# Altium PCB AMC_Single_Panel.PcbDoc (part 2 of 5) (continued)
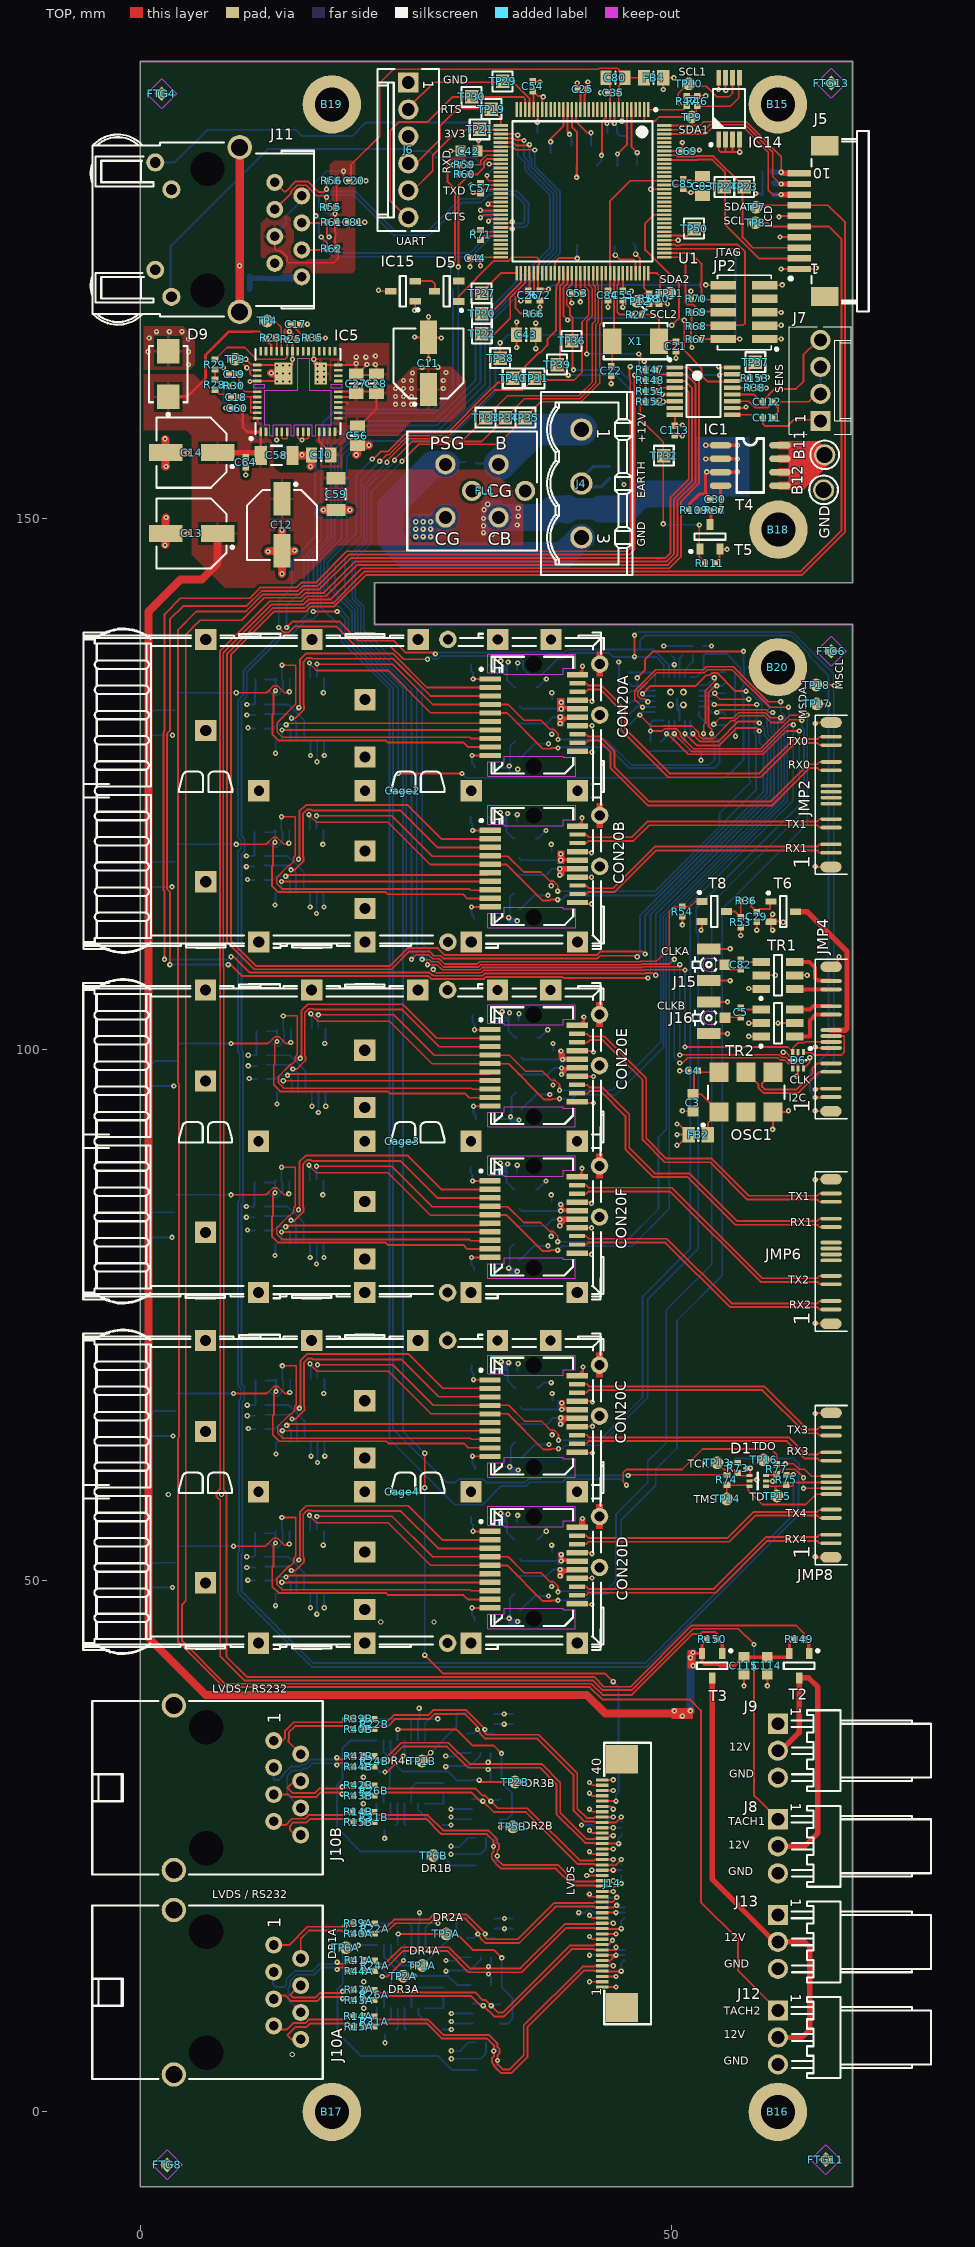
[diagram p0: TOP view]
## Nets (pads, with @x,y where several pads share a name; then routed paths per layer and width w, separated by ;. In a path a pad name is that pad's centre, name@x,y a point inside that pad or via, vN(x,y) a via of type N, cw(c..) or ccw(c..) an arc to the next point about the centre after c; other vN are vias at no path point) (continued)
  TOP w0.152: v1(7.8,164.2) 7.8,164 7.95,164 C19.1@8.35,163.6 ; v1(8,160.4) C60.1@8.65,160.4
  TOP w0.178: v1(9.9,154.1) C64.1@9.9,154.85 ; v1(9.9,165) 10.4,164.5 11.05,164.5 IC5.42@11,164.45 12.85,164.45 IC5.53@12.9,164.4 ; v1(10.3,162.9) 10.35,162.95 IC5.45@11,162.95 12.85,162.95 IC5.53@12.9,162.9 ; v1(14,167.6) 14.1,167.6 14.37,167.33 14.37,166.9 ; IC5.53@14.1,164.3 14.3,164.5 v1(14.3,165) IC5.35@14.3,165.75 14.3,166.8 ; IC5.31@16.3,165.75 v1(16.3,165) ; IC5.54@16.6,164.3 16.3,164.6 v1(16.3,165) ; IC5.54@16.95,163.65 IC5.54@16.95,164.05 ; IC5.54@17.2,164.4 17.25,164.45 IC5.54@17.35,164.45 ; v1(20.3,162.7) C27.1@20.3,163.5 ; v1@20.3,164.45 IC5.26@18.6,164.45 IC5.54@17.35,164.45 ; v1(20.3,164.6) C27.1@20.3,163.5 ; C81.1@20.45,177.9 v1(21.1,177.9) ; C20.1@20.55,181.8 v1(21.2,181.8) ; v2(21.3,162.7) 21.3,162.8 22.1,163.6 C28.1@22.2,163.6 ; v2(21.3,164.5) 20.4,163.6 C27.1@20.3,163.6 C27.1@20.3,163.5 ; C28.1@21.9,163.5 C27.1@20.3,163.5 ; v1(22.1,162.7) 22.2,162.8 C28.1@22.2,163.6 ; v1(22.1,164.5) 22.2,164.4 C28.1@22.2,163.6 ; v1(25.8,167.1) 25.85,167.05 C11.2@27.1,167.05 ; v1(25.8,169.6) 25.85,169.65 IC15.1@25.85,170.45 ; v1(27.1,165) C11.2@27.1,167.05 ; v1(27.1,169) C11.2@27.1,167.05 ; v1(28.3,167) 28.25,167.05 C11.2@27.1,167.05 ; v1(29.2,184.6) C42.1@30.1,184.6 ; v1(31,173.7) 31.05,173.75 C44.1@31.05,174.5 ; v1(31.155,80.426) 31.16,80.421 CON20F.10@32.855,80.421 ; v1(31.155,113.426) 31.16,113.421 CON20B.10@32.855,113.421 ; v1(31.192,47.456) 31.197,47.451 CON20D.10@32.892,47.451 ; v1(31.2,127.7) 31.205,127.695 CON20A.10@32.9,127.695 ; v1(31.243,61.73) 31.248,61.725 CON20C.10@32.943,61.725 ; v1(31.255,87.626) 31.26,87.621 CON20F.1@32.855,87.621 ; v1(31.255,120.626) 31.26,120.621 CON20B.1@32.855,120.621 ; v1(31.292,54.656) 31.297,54.651 CON20D.1@32.892,54.651 ; v1(31.3,134.9) 31.305,134.895 CON20A.1@32.9,134.895 ; v1(31.3,177) U1.58@33.9,177 ; v1(31.3,180.7) 31.3,180.6 31.9,180.6 32.3,181 U1.48@33.9,181 ; v1(31.33,94.676) 31.335,94.671 CON20E.10@33.03,94.671 ; v1(31.343,68.93) 31.348,68.925 CON20C.1@32.943,68.925 ; v1(31.43,101.876) 31.435,101.871 CON20E.1@33.03,101.871 ; v1(32.75,178) 32.95,178.2 U1.55@33.9,178.2 ; v1(35.4,166.1) 35.5,166.1 35.4,166.2 C43.2@35.4,167.3 v1(35.4,168.5) ; v1(35.8,170.5) 35.85,170.55 C26.1@36.5,170.55 ; C54.1@36.9,191.15 37.55,191.15 v1(37.6,191.1) ; CON20F.20@40.955,88.026 41.055,87.926 41.555,87.926 41.555,88.521 ; CON20B.20@40.955,121.026 41.055,120.926 41.555,120.926 41.555,121.521 ; CON20D.20@40.992,55.056 41.092,54.956 41.592,54.956 41.592,55.551 ; CON20A.20@41,135.3 41.1,135.2 41.6,135.2 41.6,135.795 ; CON20C.20@41.043,69.33 41.143,69.23 41.643,69.23 41.643,69.825 ; CON20F.11@41.055,80.821 41.15,80.726 v1(42.455,80.726) ; CON20F.14@41.055,83.221 42.45,83.221 v1(42.455,83.226) ; CON20F.17@41.055,85.621 42.46,85.621 42.555,85.526 v1(42.455,85.526) ; CON20F.20@41.055,88.021 41.555,88.521 ; CON20B.11@41.055,113.821 41.15,113.726 v1(42.455,113.726) ; CON20B.14@41.055,116.221 42.45,116.221 v1(42.455,116.226) ; CON20B.17@41.055,118.621 42.46,118.621 42.555,118.526 v1(42.455,118.526) ; CON20B.20@41.055,121.021 41.555,121.521 ; CON20D.11@41.092,47.851 41.187,47.756 v1(42.492,47.756) ; CON20D.14@41.092,50.251 42.487,50.251 v1(42.492,50.256) ; CON20D.17@41.092,52.651 42.497,52.651 42.592,52.556 v1(42.492,52.556) ; CON20D.20@41.092,55.051 41.592,55.551 ; CON20A.11@41.1,128.095 41.195,128 v1(42.5,128) ; CON20A.14@41.1,130.495 42.495,130.495 v1(42.5,130.5) ; CON20A.17@41.1,132.895 42.505,132.895 42.6,132.8 v1(42.5,132.8) ; CON20A.20@41.1,135.295 41.6,135.795 ; v1(41.1,191) 41,190.9 41,190.6 41.4,190.2 U1.17@41.4,188.5 ; CON20E.20@41.13,102.276 41.23,102.176 41.73,102.176 41.73,102.771 ; CON20C.11@41.143,62.125 41.238,62.03 v1(42.543,62.03) ; CON20C.14@41.143,64.525 42.538,64.525 v1(42.543,64.53) ; CON20C.17@41.143,66.925 42.548,66.925 42.643,66.83 v1(42.543,66.83) ; CON20C.20@41.143,69.325 41.643,69.825 ; CON20E.11@41.23,95.071 41.325,94.976 v1(42.63,94.976) ; CON20E.14@41.23,97.471 42.625,97.471 v1(42.63,97.476) ; CON20E.17@41.23,99.871 42.635,99.871 42.73,99.776 v1(42.63,99.776) ; CON20E.20@41.23,102.271 41.73,102.771 ; v1(41.4,170.4) U1.80@41.4,173.1 ; v1(41.555,88.826) 41.555,88.521 ; v1(41.555,121.826) 41.555,121.521 ; v1(41.592,55.856) 41.592,55.551 ; v1(41.6,136.1) 41.6,135.795 ; v1(41.643,70.13) 41.643,69.825 ; v1(41.73,103.076) 41.73,102.771 ; v1(42,22.25) J14.22@43.45,22.25 ; v1(42.25,12.25) J14.2@43.45,12.25 ; v1(42.25,16.5) 42.5,16.25 J14.10@43.45,16.25 ; v1(42.25,18.5) 42.5,18.25 J14.14@43.45,18.25 ; v1(42.25,24.5) 42.5,24.25 J14.26@43.45,24.25 ; v1(42.25,26.5) 42.5,26.25 J14.30@43.45,26.25 ; v1(42.25,28.5) 42.5,28.25 J14.34@43.45,28.25 ; v1(42.25,30) 42.5,29.75 J14.37@43.45,29.75 ; v1(42.25,31) 42.5,30.75 J14.39@43.45,30.75 ; v1(43.3,190.1) C35.2@44.05,190.1 ; J14.1@43.45,11.75 v1(44.75,11.75) ; J14.3@43.45,12.75 v1(44.75,12.75) ; J14.6@43.45,14.25 44.25,14.25 v1(44.75,14.75) J14.7@43.45,14.75 ; J14.11@43.45,16.75 v1(44.75,16.75) ; J14.15@43.45,18.75 v1(44.75,18.75) ; J14.18@43.45,20.25 42.5,20.25 ; J14.19@43.45,20.75 v1(44.5,20.75) ; J14.23@43.45,22.75 v1(44.5,22.75) ; J14.27@43.45,24.75 v1(44.5,24.75) ; J14.31@43.45,26.75 v1(44.5,26.75) ; J14.35@43.45,28.75 44.25,28.75 v1(44.5,28.5) ; J14.38@43.45,30.25 v1(44.5,30.25) ; J14.40@43.45,31.25 v1(44.5,31.25) ; C80.2@43.8,191.4 44.2,191 U1.10@44.2,188.5 44.2,187.472 44.125,187.397 44.125,187.325 44,187.2 v1(43.9,187.2) ; v1(44,169.9) C84.1@44,170.55 ; v1(44.3,162.7) C22.2@44.3,163.45 ; v1(45.4,169.9) C55.1@45.4,170.55 ; U1.114@49.3,181.4 50.8,181.4 51.5,180.7 v1(51.8,180.7) C83.2@52.4,180.7 ; C113.1@50.3,157.85 50.95,157.85 v1(51,157.8) ; v1(50.4,165.1) C21.2@50.4,165.75 ; v1(50.75,98) C4.1@51.55,98 ; v1(51,94.25) 51.05,94.2 C3.1@52,94.2 ; v1(51,111.75) R54.1@51,112.53 ; C69.1@51.85,184.6 52.5,184.6 v1(52.6,184.7) ; v1(52.75,111.25) 52.85,111.35 T8.2@52.85,112.05 ; J16.2@53.5,101.525 55.225,101.525 v1(55.25,101.5) ; J16.2@53.5,104.475 55.225,104.475 v1(55.25,104.5) ; J15.2@53.5,106.525 55.475,106.525 v1(55.5,106.5) ; J15.2@53.5,109.475 55.475,109.475 v1(55.5,109.5) ; R111.1@54.07,145.8 54.47,146.2 54.5,146.2 54.5,147 54.6,147.1 v1(55.2,147.1) ; IC14.1@54.425,185.7 54.425,184.675 54.6,184.5 55.1,184.5 ; IC14.2@55.075,185.7 55.075,184.525 55.1,184.5 ; IC14.7@55.075,191.5 55.075,190.325 v1(55.1,190.3) ; IC1.10@55.7,160.413 56.913,160.413 v1(57,160.5) ; IC14.3@55.725,185.7 55.725,184.525 55.7,184.5 ; v1@56.3,184.6 56.375,184.675 IC14.4@56.375,185.7 ; v1(56.4,184.5) 55.7,184.5 ; v1(56.8,40.1) C115.1@56.8,41.2 ; v1(57.25,101.25) 57.27,101.23 TR2.1@58.41,101.23 ; v1(57.25,102.5) TR2.2@58.41,102.5 ; v1(57.25,105.75) 57.27,105.73 TR1.1@58.41,105.73 ; D1.2@57.31,59.4 57.41,59.5 v1(58,59.5) ; R38.2@58.27,162.3 v1(58.9,162.3) ; TR1.2@58.41,107 v1(59.75,107) ; JP2.3@58.75,168.155 60.355,168.155 60.31,168.2 v1(60.3,168.2) ; JP2.5@58.75,169.425 60.275,169.425 v1(60.3,169.4) ; JP2.9@58.75,171.965 60.365,171.965 v1(60.4,172) ; v1(59,40.1) C114.1@59,41.2 ; v1(59.5,92.5) 59.54,92.54 OSC1.3@59.54,94.125 60.875,94.125 v1(61,94.25) ; v1(60,102.5) TR2.5@61.59,102.5 ; v1(60.1,178.4) 60.2,178.5 J5.6@62,178.5 ; v1(60.2,176.5) J5.4@62,176.5 ; v1(60.5,99.75) 60.76,99.75 61.03,99.48 61.03,99.414 61.184,99.26 61.9,99.26 D6.2@61.9,99.79 ; TR1.5@61.59,107 v1(62.75,107) ; v1(63.5,52.25) 63.55,52.2 JMP8.1@64.989,52.2 ; v1(63.5,65.75) 63.55,65.8 JMP8.14@65.011,65.8 ; v1(63.5,74.25) 63.55,74.2 JMP6.1@64.989,74.2 ; v1(63.5,87.75) 63.55,87.8 JMP6.14@65.011,87.8 ; v1(63.5,94.25) 63.55,94.2 JMP4.1@64.989,94.2 ; v1(63.5,117.25) 63.55,117.2 JMP2.1@64.989,117.2 ; v1(63.5,130.7) 63.6,130.8 JMP2.14@65.011,130.8 ; JMP4.14@65.011,107.8 65.05,107.8 65.75,108.5 v1(65.75,108.75) ; v1(16.3,165) 16.95,164.35 IC5.54@16.95,164.05 ; IC5.54@16.95,164.05 IC5.54@17.35,164.45 ; 42.5,20.25 42.25,20.25 42,20.5 v1(42.25,20.5) 42.5,20.25 ; 55.1,184.5 55.7,184.5
  TOP w0.762: v1(2.3,147.5) 2.35,147.55 C13.2@2.35,148.6 ; v1(2.3,157.5) 2.35,157.45 C14.2@2.35,156.2 ; v1(2.4,150.1) 2.4,149.9 2.35,149.85 C13.2@2.35,148.6 ; v1(2.4,154.9) 2.3,154.9 2.35,154.95 C14.2@2.35,156.2 ; v1(4.4,148.6) C13.2@2.35,148.6 ; v1(4.4,156.2) C14.2@2.35,156.2 ; v1(12,146.9) 12.05,146.95 C12.2@13.3,146.95 ; v1(12.3,163.7) 12.35,163.65 IC5.53@13.437,163.65 ; v1(13.3,144.8) C12.2@13.3,146.95 ; v1(13.3,148.9) C12.2@13.3,146.95 ; v1(13.4,155.9) 13.45,155.95 C58.1@14.3,155.95 v1@15.2,155.95 ; v1(14.5,147) 14.45,146.95 C12.2@13.3,146.95 ; v1(15.2,156) v1@15.2,155.95 ; v1(16,154.9) 16.1,155 C10.1@16.1,156 ; C10.1@16,156 15.95,155.95 v1@15.2,155.95 ; v1(17.2,150.8) C59.1@18.4,150.8 v1(19.7,150.8) ; v1(20.3,156) 20.4,156.1 C56.1@20.4,156.9 v1(21.5,156.9)
  BTM w0.152: v1(7.8,164.2) v1@7.9,164.1
  BTM w0.178: v1(9.955,84.226) R52F.1@10.735,84.226 ; v1(9.955,117.226) R52B.1@10.735,117.226 ; v1(9.992,51.256) R52D.1@10.772,51.256 ; v1(10,131.5) R52A.1@10.78,131.5 ; v1(10.043,65.53) R52C.1@10.823,65.53 ; v1(10.13,98.476) R52E.1@10.91,98.476 ; C24.2@10.25,171.6 10.25,172.768 R33.2@10.281,172.799 11.701,172.799 11.9,172.6 12.1,172.4 14.815,172.4 J11.8@15.17,172.755 ; v1(12.655,80.626) 12.68,80.651 IC3F.8@12.68,81.776 ; v1(12.655,113.626) 12.68,113.651 IC3B.8@12.68,114.776 ; v1(12.692,47.656) 12.717,47.681 IC3D.8@12.717,48.806 ; v1(12.7,127.9) 12.725,127.925 IC3A.8@12.725,129.05 ; v1(12.743,61.93) 12.768,61.955 IC3C.8@12.768,63.08 ; v1(12.83,94.876) 12.855,94.901 IC3E.8@12.855,96.026 ; v1(14,167.6) v1@14.1,167.6 ; IC3F.3@15.93,81.776 15.93,80.451 v1(15.955,80.426) ; IC3B.3@15.93,114.776 15.93,113.451 v1(15.955,113.426) ; IC3D.3@15.967,48.806 15.967,47.481 v1(15.992,47.456) ; IC3A.3@15.975,129.05 15.975,127.725 v1(16,127.7) ; IC3C.3@16.018,63.08 16.018,61.755 v1(16.043,61.73) ; IC3E.3@16.105,96.026 16.105,94.701 v1(16.13,94.676) ; v1(16.5,178.5) 16.7,178.3 17.2,178.3 17.3,178.2 D7.2@17.3,177.71 ; IC3F.1@17.23,81.776 17.23,80.451 v1(17.255,80.426) ; IC3B.1@17.23,114.776 17.23,113.451 v1(17.255,113.426) ; IC3D.1@17.267,48.806 17.267,47.481 v1(17.292,47.456) ; IC3A.1@17.275,129.05 17.275,127.725 v1(17.3,127.7) ; IC3C.1@17.318,63.08 17.318,61.755 v1(17.343,61.73) ; IC3E.1@17.405,96.026 17.405,94.701 v1(17.43,94.676) ; v1(20.97,29) R19B.2@20.97,29.75 R18B.2@20.97,30.75 v1(20.97,31.5) ; v1(21,9.75) R19A.2@21,10.5 R18A.2@21,11.5 v1(21,12.25) ; v1(22.97,25.75) C88B.2@22.97,26.55 ; v1(23,6.5) C88A.2@23,7.3 ; IC10B.15@26.125,34.95 26.125,36.855 C67B.1@26.27,37 26.27,37.95 v1(26.22,38) ; IC10A.15@26.155,15.7 26.155,17.605 C67A.1@26.3,17.75 26.3,18.7 v1(26.25,18.75) ; C72B.2@28.45,27 v1(29.22,27) ; C72A.2@28.48,7.75 v1(29.25,7.75) ; v1(28.72,32.5) 28.77,32.55 C9B.1@29.5,32.55 30.961,32.55 32,33.589 IC4B.2@32,33.8 ; v1(28.75,13.25) 28.8,13.3 C9A.1@29.53,13.3 30.991,13.3 32.03,14.339 IC4A.2@32.03,14.55 ; v1(29.22,24.25) 31.97,24.25 32.5,24.78 IC13B.2@32.5,25.8 ; v1(29.22,28.5) IC11B.2@31.2,28.5 ; v1(29.25,5) 32,5 32.53,5.53 IC13A.2@32.53,6.55 ; v1(29.25,9.25) IC11A.2@31.23,9.25 ; C47F.2@31.055,88.976 31.055,88.426 31.255,88.226 v1@31.255,87.826 ; C47B.2@31.055,121.976 31.055,121.426 31.255,121.226 v1@31.255,120.826 ; C47D.2@31.092,56.006 31.092,55.456 31.292,55.256 v1@31.292,54.856 ; C47A.2@31.1,136.25 31.1,135.7 31.3,135.5 v1@31.3,135.1 ; C47C.2@31.143,70.28 31.143,69.73 31.343,69.53 v1@31.343,69.13 ; v1@31.155,80.326 31.155,79.726 31.405,79.476 C48F.1@31.405,79.226 ; v1@31.155,113.326 31.155,112.726 31.405,112.476 C48B.1@31.405,112.226 ; v1@31.192,47.356 31.192,46.756 31.442,46.506 C48D.1@31.442,46.256 ; v1@31.2,127.6 31.2,127 31.45,126.75 C48A.1@31.45,126.5 ; C47E.2@31.23,103.226 31.23,102.676 31.43,102.476 v1@31.43,102.076 ; v1@31.243,61.63 31.243,61.03 31.493,60.78 C48C.1@31.493,60.53 ; v1@31.33,94.576 31.33,93.976 31.58,93.726 C48E.1@31.58,93.476 ; IC2B.2@33.3,36.5 v1(34.22,36.5) C6B.1@35,36.5 ; IC2A.2@33.33,17.25 v1(34.25,17.25) C6A.1@35.03,17.25 ; C50F.2@35.405,88.476 35.405,89.076 v1(35.455,89.126) ; C50B.2@35.405,121.476 35.405,122.076 v1(35.455,122.126) ; C50D.2@35.442,55.506 35.442,56.106 v1(35.492,56.156) ; C50A.2@35.45,135.75 35.45,136.35 v1(35.5,136.4) ; C50C.2@35.493,69.78 35.493,70.38 v1(35.543,70.43) ; C50E.2@35.58,102.726 35.58,103.326 v1(35.63,103.376) ; C49F.2@35.655,80.226 35.755,80.226 37.055,81.526 v1(38.355,81.526) ; C49B.2@35.655,113.226 35.755,113.226 37.055,114.526 v1(38.355,114.526) ; C49D.2@35.692,47.256 35.792,47.256 37.092,48.556 v1(38.392,48.556) ; C49A.2@35.7,127.5 35.8,127.5 37.1,128.8 v1(38.4,128.8) ; C49C.2@35.743,61.53 35.843,61.53 37.143,62.83 v1(38.443,62.83) ; C49E.2@35.83,94.476 35.93,94.476 37.23,95.776 v1(38.53,95.776) ; C51F.2@37.205,86.876 37.405,86.876 v1(38.155,87.626) ; C51B.2@37.205,119.876 37.405,119.876 v1(38.155,120.626) ; C51D.2@37.242,53.906 37.442,53.906 v1(38.192,54.656) ; C51A.2@37.25,134.15 37.45,134.15 v1(38.2,134.9) ; C51C.2@37.293,68.18 37.493,68.18 37.962,68.65 v1(38.65,68.65) ; C51E.2@37.38,101.126 37.58,101.126 v1(38.33,101.876) ; v1(38.655,82.426) 38.705,82.476 C46F.2@38.705,83.026 ; v1(38.655,86.326) 38.705,86.276 C52F.2@38.705,85.676 ; v1(38.655,115.426) 38.705,115.476 C46B.2@38.705,116.026 ; v1(38.655,119.326) 38.705,119.276 C52B.2@38.705,118.676 ; v1(38.692,49.456) 38.742,49.506 C46D.2@38.742,50.056 ; v1(38.692,53.356) 38.742,53.306 C52D.2@38.742,52.706 ; v1(38.7,129.7) 38.75,129.75 C46A.2@38.75,130.3 ; v1(38.7,133.6) 38.75,133.55 C52A.2@38.75,132.95 ; v1(38.743,63.73) 38.793,63.78 C46C.2@38.793,64.33 ; v1(38.743,67.63) 38.793,67.58 C52C.2@38.793,66.98 ; v1(38.83,96.676) 38.88,96.726 C46E.2@38.88,97.276 ; v1(38.83,100.576) 38.88,100.526 C52E.2@38.88,99.926 ; v1(43.9,187.2) 43.95,187.15 C23.1@43.95,186.3 ; v1(44.5,22.75) D4B.2@45.29,22.75 ; v1(44.5,26.75) D3B.2@45.29,26.75 ; v1(44.75,14.75) D4A.2@45.54,14.75 ; v1(44.75,18.75) D3A.2@45.54,18.75 ; R105.1@45.07,154.9 45.07,153.87 45,153.8 45.6,153.2 v1(45.5,153.2) ; v1(49.25,138) C175.1@50,138 R194.1@51,138 R195.1@52,138 ; IC16.25@50.5,133.05 IC16.25@50.5,132.525 ; IC16.9@50.75,131 50.75,131.75 ; IC16.25@50.5,132.525 50.5,132 50.75,131.75 ; IC16.25@50.5,132.525 50.75,132.275 50.75,131.75
  BTM w0.508: C24.2@10.25,171.6 10.281,171.631 R33.2@10.281,172.799 10.479,172.6 11.9,172.6 13.2,172.6 13.355,172.755 J11.8@15.17,172.755
  BTM w2.54: 26.2,149.2 27.8,149.2 FL1.4@28.7,150.1
  other v1: 25.9,148.3 26.6,148.3 27.3,148.3 25.9,149 26.6,149 27.3,149 25.9,149.7 26.6,149.7 27.3,149.7 0.7,165.7 4.5,165.7 1.5,167.6 2.7,167.6 3.9,167.6
  other v2: 16.65,162.85 17.25,162.85 12.85,162.9 13.4,162.9 14,162.9 16.65,163.35 17.25,163.35 12.85,163.65 13.4,163.65 14,163.65 16.65,163.85 17.25,163.85 16.65,164.35 17.25,164.35 12.85,164.4 13.4,164.4 14,164.4 4.5,164.5 20.3,165.2 21.2,165.2 22.1,165.3 4.5,166.9 0.8,167
  other v3: 14.272,5.396 22.614,46.118 27.614,46.118 2.614,58.118 7.614,58.118
  other v4: 49.9,132.45 51.1,132.45 49.9,133.65 51.1,133.65
GND_ETH: C24.1 J11.9 J11.10 R33.1 | length 19.9
  TOP w0.762: J11.10@9.328,169.453 J11.9@9.328,184.947
  BTM w0.762: v1(9.3,173.8) 9.341,173.759 R33.1@9.341,172.799 ; J11.10@9.328,169.453 9.35,169.475 R33.1@9.35,172.799
I2C_RESETN: IC16.24 R197.1 TP38.1 U1.107 | length 136.2
  TOP w0.178: v1(24.25,126) v1(30.25,126) ; TP38.1@33.85,165.1 v2(33.85,166.55) ; U1.107@49.3,178.6 48.3,178.6 47.5,177.8 47.5,175.293 48.538,174.255 48.545,174.255 50.7,172.1 50.7,168.9 v1(50,168.2)
  BTM w0.178: v1(24.25,126) 24.25,133.993 19.567,138.677 19.567,140.683 18.975,141.275 18.975,141.447 18.697,141.725 18.525,141.725 17.28,142.97 17.28,146.033 19.4,148.153 19.4,150.428 19.225,150.603 19.225,150.997 19.4,151.172 19.4,155.8 20.975,157.375 21.697,157.375 21.772,157.3 28.8,157.3 33.4,161.9 33.4,166.1 34.6,167.3 49.1,167.3 v1(50,168.2) ; v1(30.25,126) 30.655,125.595 55.095,125.595 56.75,127.25 56.75,133.328 56.525,133.553 56.525,133.947 56.75,134.172 56.75,134.597 56.47,134.877 56.47,135.941 55.161,137.25 53.15,137.25 R197.1@53,137.1 53,135.75 52.35,135.1 IC16.24@51.75,135.1
I2CA.SCL: CON20A.5 IC3A.14 IC16.2 R185.1 | length 55.2
  TOP w0.152: v1(15.9,136.4) 15.9,136.362 16.562,135.7 23.3,135.7 27.3,131.7 CON20A.5@32.8,131.7
  TOP w0.178: CON20A.5@32.9,131.695 34.505,131.695 37.875,128.325 38.597,128.325 38.672,128.4 v1(39.3,128.4) ; v1(53.75,129.75) 53.75,130.159 53.479,130.431 53.479,133.651 54.078,134.25 v1(54.25,134.25)
  BTM w0.152: v1(15.9,136.4) 15.975,136.325 IC3A.14@15.975,134.95
  BTM w0.178: v1(39.3,128.4) 39.375,128.475 44.025,128.475 46,126.5 54,126.5 54.5,127 54.5,129 v1(53.75,129.75) ; IC16.2@52.55,133.8 53.225,133.8 53.55,134.125 54.125,134.125 v1@54.125,134.375 ; 54.5,134.25 54.75,134.25 R185.1@55.05,134.55
I2CA.SDA: CON20A.4 IC3A.15 IC16.1 R184.1 | length 54.9
  TOP w0.152: v1(16.6,136.3) 23.7,136.3 27.505,132.495 32.9,132.495 34.605,132.495 36.1,131 37.7,131 38.549,130.151 38.887,130.151 39.3,129.738 v1(39.3,129.2) ; v1(53,129.75) 53,130.567 53.183,130.75 53.183,133.821 54.063,134.701 54.109,134.701 54.204,134.796 v1(54,135)
  BTM w0.152: IC3A.15@16.6,135.1 v1(16.6,136.3) ; v1(39.3,129.2) 43.8,129.2 46.204,126.796 53.546,126.796 54.023,127.273 54.023,128.727 v1(53,129.75) ; IC16.1@52.55,134.3 53.3,134.3 v1(54,135) 54.55,135.55 R184.1@55.05,135.55
I2CB.SCL: CON20B.5 IC3B.14 IC16.4 R187.1 | length 66.3
  TOP w0.152: v1(15.855,122.126) 15.855,122.088 16.517,121.426 23.255,121.426 27.255,117.426 CON20B.5@32.755,117.426
  TOP w0.178: CON20B.5@32.855,117.421 34.46,117.421 37.83,114.051 38.552,114.051 38.627,114.126 v1(39.255,114.126) ; v1(54,132.5) 54.046,132.454 57.954,132.454 v1(58,132.5)
  BTM w0.152: v1(15.855,122.126) 15.93,122.051 IC3B.14@15.93,120.676
  BTM w0.178: v1(39.255,114.126) 39.626,114.126 40,114.5 48.44,114.5 55,121.06 55,121.5 58,124.5 57.93,124.57 57.93,129.648 57.775,129.803 57.775,130.946 58,131.171 v1(58,132.5) ; IC16.4@52.55,132.8 53.7,132.8 v1(54,132.5) R187.1@55.05,132.5
I2CB.SDA: CON20B.4 IC3B.15 IC16.3 R186.1 | length 64.4
  TOP w0.152: v1(16.555,122.026) 23.655,122.026 27.46,118.221 32.855,118.221 34.56,118.221 36.055,116.726 37.655,116.726 38.504,115.877 38.842,115.877 39.255,115.464 v1(39.255,114.926) ; v1(54.05,133.55) 54.05,133.45 54.5,133 v1(57.25,133)
  BTM w0.152: IC3B.15@16.555,120.826 v1(16.555,122.026) ; v1(39.255,114.926) 48.447,114.926 54.5,120.979 54.5,122.25 57.5,125.25 57.25,125.5 v1(57.25,133)
  BTM w0.178: IC16.3@52.55,133.3 53.8,133.3 v1(54.05,133.55) R186.1@55.05,133.55
I2CC.SCL: CON20E.5 IC3E.14 IC16.6 R189.1 | length 86.1
  TOP w0.152: v1(16.03,103.376) 16.03,103.338 16.692,102.676 23.43,102.676 27.43,98.676 CON20E.5@32.93,98.676 ; v1(53.954,130.627) 54.55,131.223 55.795,131.223 56.295,131.724 58.8,131.724 59.274,131.25 v1(60.25,131.25)
  TOP w0.178: CON20E.5@33.03,98.671 34.635,98.671 38.005,95.301 38.727,95.301 38.802,95.376 v1(39.43,95.376)
  BTM w0.152: v1(16.03,103.376) 16.105,103.301 IC3E.14@16.105,101.926 ; v1(39.43,95.376) 40.626,95.376 41,95.75 44.75,95.75 49.224,100.224 49.224,107.3 49.185,107.339 49.185,112.509 60.319,123.643 60.319,129.708 60,130.027 60,131 v1(60.25,131.25)
  BTM w0.178: IC16.6@52.55,131.8 52.55,131.55 52.5,131.5 53.45,130.55 R189.1@55.05,130.55
I2CC.SDA: CON20E.4 IC3E.15 IC16.5 R188.1 | length 82.7
  TOP w0.152: v1(16.73,103.276) 23.83,103.276 27.635,99.471 33.03,99.471 34.735,99.471 36.23,97.976 37.83,97.976 38.679,97.127 39.017,97.127 39.43,96.714 v1(39.43,96.176) ; v1(54.25,131.75) 54.496,131.996 58.913,131.996 59.159,131.75 v1(59.5,131.75)
  BTM w0.152: IC3E.15@16.73,102.076 v1(16.73,103.276) ; v1(39.43,96.176) 44.426,96.176 48.951,100.701 48.951,107.187 48.912,107.226 48.912,112.622 60.046,123.756 60.046,129.595 59.661,129.98 59.661,131.589 v1(59.5,131.75)
  BTM w0.178: IC16.5@52.55,132.3 53.2,132.3 53.75,131.75 v1(54.25,131.75) 54.85,131.75 R188.1@55.05,131.55
I2CD.SCL: IC16.8 J5.5 R191.1 TP8.1 | length 204
  TOP w0.178: v1(46.75,108.75) 46.75,108.682 46.909,108.841 43.287,108.841 43.031,108.585 28.51,108.585 28.254,108.841 27.601,108.841 27.195,109.247 25.295,109.247 23.617,107.57 10.68,107.57 8.14,110.11 8.14,137.282 12.438,141.58 15.456,141.58 15.921,142.045 18.117,142.045 21.072,145 62.1,145 66,148.9 66,176.3 64.8,177.5 J5.5@62,177.5 59.35,177.5 59,177.85 TP8.1@57.875,177.85 ; v1(51.25,129.75) 52.359,128.641 54.469,128.641 56.12,130.292 58,130.292 v1@58.25,130.042
  BTM w0.178: v1(46.75,108.75) 47,108.75 47,112.608 58.656,124.264 58.656,128.5 58.25,128.906 v1(58.25,130) ; R191.1@51,129 51.25,129.25 v1(51.25,129.75) IC16.8@51.25,131
I2CD.SDA: IC16.7 J5.7 R190.1 TP7.1 | length 205.4
  TOP w0.178: v1(47.5,109) 47.275,109.225 43.25,109.225 42.93,108.905 28.642,108.905 27.98,109.567 25.162,109.567 23.485,107.89 10.86,107.89 8.5,110.25 8.5,137.19 12.57,141.26 15.588,141.26 16.053,141.725 18.25,141.725 21.205,144.68 62.233,144.68 66.32,148.767 66.32,177.88 64.7,179.5 J5.7@62,179.5 58.125,179.5 TP7.1@57.925,179.3 ; v1(52,129.75) 52,129.693 52.69,129.002 54.25,129.002 54.378,129.003 56.284,130.909 58.091,130.909 v1(58.25,130.75)
  BTM w0.178: v1(47.5,109) 47.5,112.655 58.976,124.131 58.976,125.515 59,125.539 59,129.317 58.725,129.593 58.725,130.196 58.636,130.286 58.636,130.364 v1(58.25,130.75) ; IC16.7@51.75,131 51.75,129.25 R190.1@52,129
I2CE.SCL: CON20C.5 IC3C.14 IC16.11 R199.1 | length 123.8
  TOP w0.152: v1(15.943,70.43) 15.943,70.392 16.605,69.73 23.343,69.73 27.343,65.73 CON20C.5@32.843,65.73 ; v1(49.5,129.75) 49.612,129.75 51.562,127.8 58.594,127.8 60.794,130 v1(62,130)
  TOP w0.178: CON20C.5@32.943,65.725 34.548,65.725 37.918,62.355 38.639,62.355 38.714,62.43 v1(39.343,62.43)
  BTM w0.152: v1(15.943,70.43) 16.018,70.355 IC3C.14@16.018,68.98 ; v1(39.343,62.43) 39.68,62.43 40,62.75 43.25,62.75 47.75,67.25 47.75,76.5 52.5,81.25 52.5,110.862 52.299,111.063 52.299,113.299 62,123 v1(62,130)
  BTM w0.178: R199.1@49,129 v1@49.625,129.625 ; 49.75,129.75 IC16.11@49.75,131
I2CE.SDA: CON20C.4 IC3C.15 IC16.10 R198.1 | length 121
  TOP w0.152: v1(16.643,70.33) 23.743,70.33 27.548,66.525 34.648,66.525 36.143,65.03 37.743,65.03 38.591,64.182 38.929,64.182 39.343,63.768 v1(39.343,63.23) ; v1(50.25,129.75) 50.25,129.727 51.904,128.073 58.481,128.073 61.001,130.592 v1(61.451,130.592)
  BTM w0.152: IC3C.15@16.643,69.13 v1(16.643,70.33) ; v1(39.343,63.23) 43.23,63.23 47.25,67.25 47.25,76.75 51.75,81.25 51.75,113.75 61.451,123.451 v1(61.451,130.592)
  BTM w0.178: R198.1@50,129 50.25,129.25 v1(50.25,129.75) IC16.10@50.25,131
I2CF.SCL: CON20D.5 IC3D.14 IC16.13 R201.1 | length 145
  TOP w0.152: v1(15.892,56.156) 15.892,56.118 16.554,55.456 23.292,55.456 27.292,51.456 CON20D.5@32.792,51.456 ; v1(47,131.5) 48.049,130.451 49.178,130.451 49.2,130.474 51.914,130.474 52.549,129.839 52.549,129.563 52.813,129.299 53.563,129.299 53.937,129.299 55.589,130.951 55.908,130.951 56.408,131.451 58.687,131.451 59.34,130.799 60.437,130.799 61.138,131.5 v1(62.75,131.5)
  TOP w0.178: CON20D.5@32.892,51.451 34.497,51.451 37.867,48.081 38.589,48.081 38.664,48.156 v1(39.292,48.156)
  BTM w0.152: v1(15.892,56.156) 15.967,56.081 IC3D.14@15.967,54.706 ; v1(39.292,48.156) 41.856,48.156 42.45,48.75 44,48.75 45.25,50 45.25,55.75 48.5,59 48.5,60.5 50.5,62.5 50.5,74.5 54.75,78.75 54.75,113.25 62.75,121.25 v1(62.75,131.5)
  BTM w0.178: R201.1@45.95,130.55 47.175,131.775 48.425,131.775 IC16.13@48.45,131.8
I2CF.SDA: CON20D.4 IC3D.15 IC16.12 R200.1 | length 141
  TOP w0.152: v1(16.592,56.056) 23.692,56.056 27.497,52.251 34.597,52.251 36.092,50.756 37.692,50.756 38.541,49.907 38.879,49.907 39.292,49.494 v1(39.292,48.956) ; v1(48,130) 49.112,130 49.313,130.201 50.437,130.201 50.799,129.839 50.799,129.563 52.017,128.345 58.368,128.345 61.067,131.043 62.207,131.043 v1(62.25,131)
  BTM w0.152: IC3D.15@16.592,54.856 v1(16.592,56.056) ; v1(39.292,48.956) 39.359,49.022 43.772,49.022 44.75,50 44.75,56.25 47.75,59.25 47.75,61.25 49.5,63 49.5,75.5 53.75,79.75 53.75,113.75 62.451,122.451 62.451,130.187 62.25,130.388 v1(62.25,131)
  BTM w0.178: R200.1@48,129 v1(48,130) 48,130.75 48.25,131 IC16.12@49.25,131